# KiCad board Smoothie2Standard.kicad_pcb (continued)
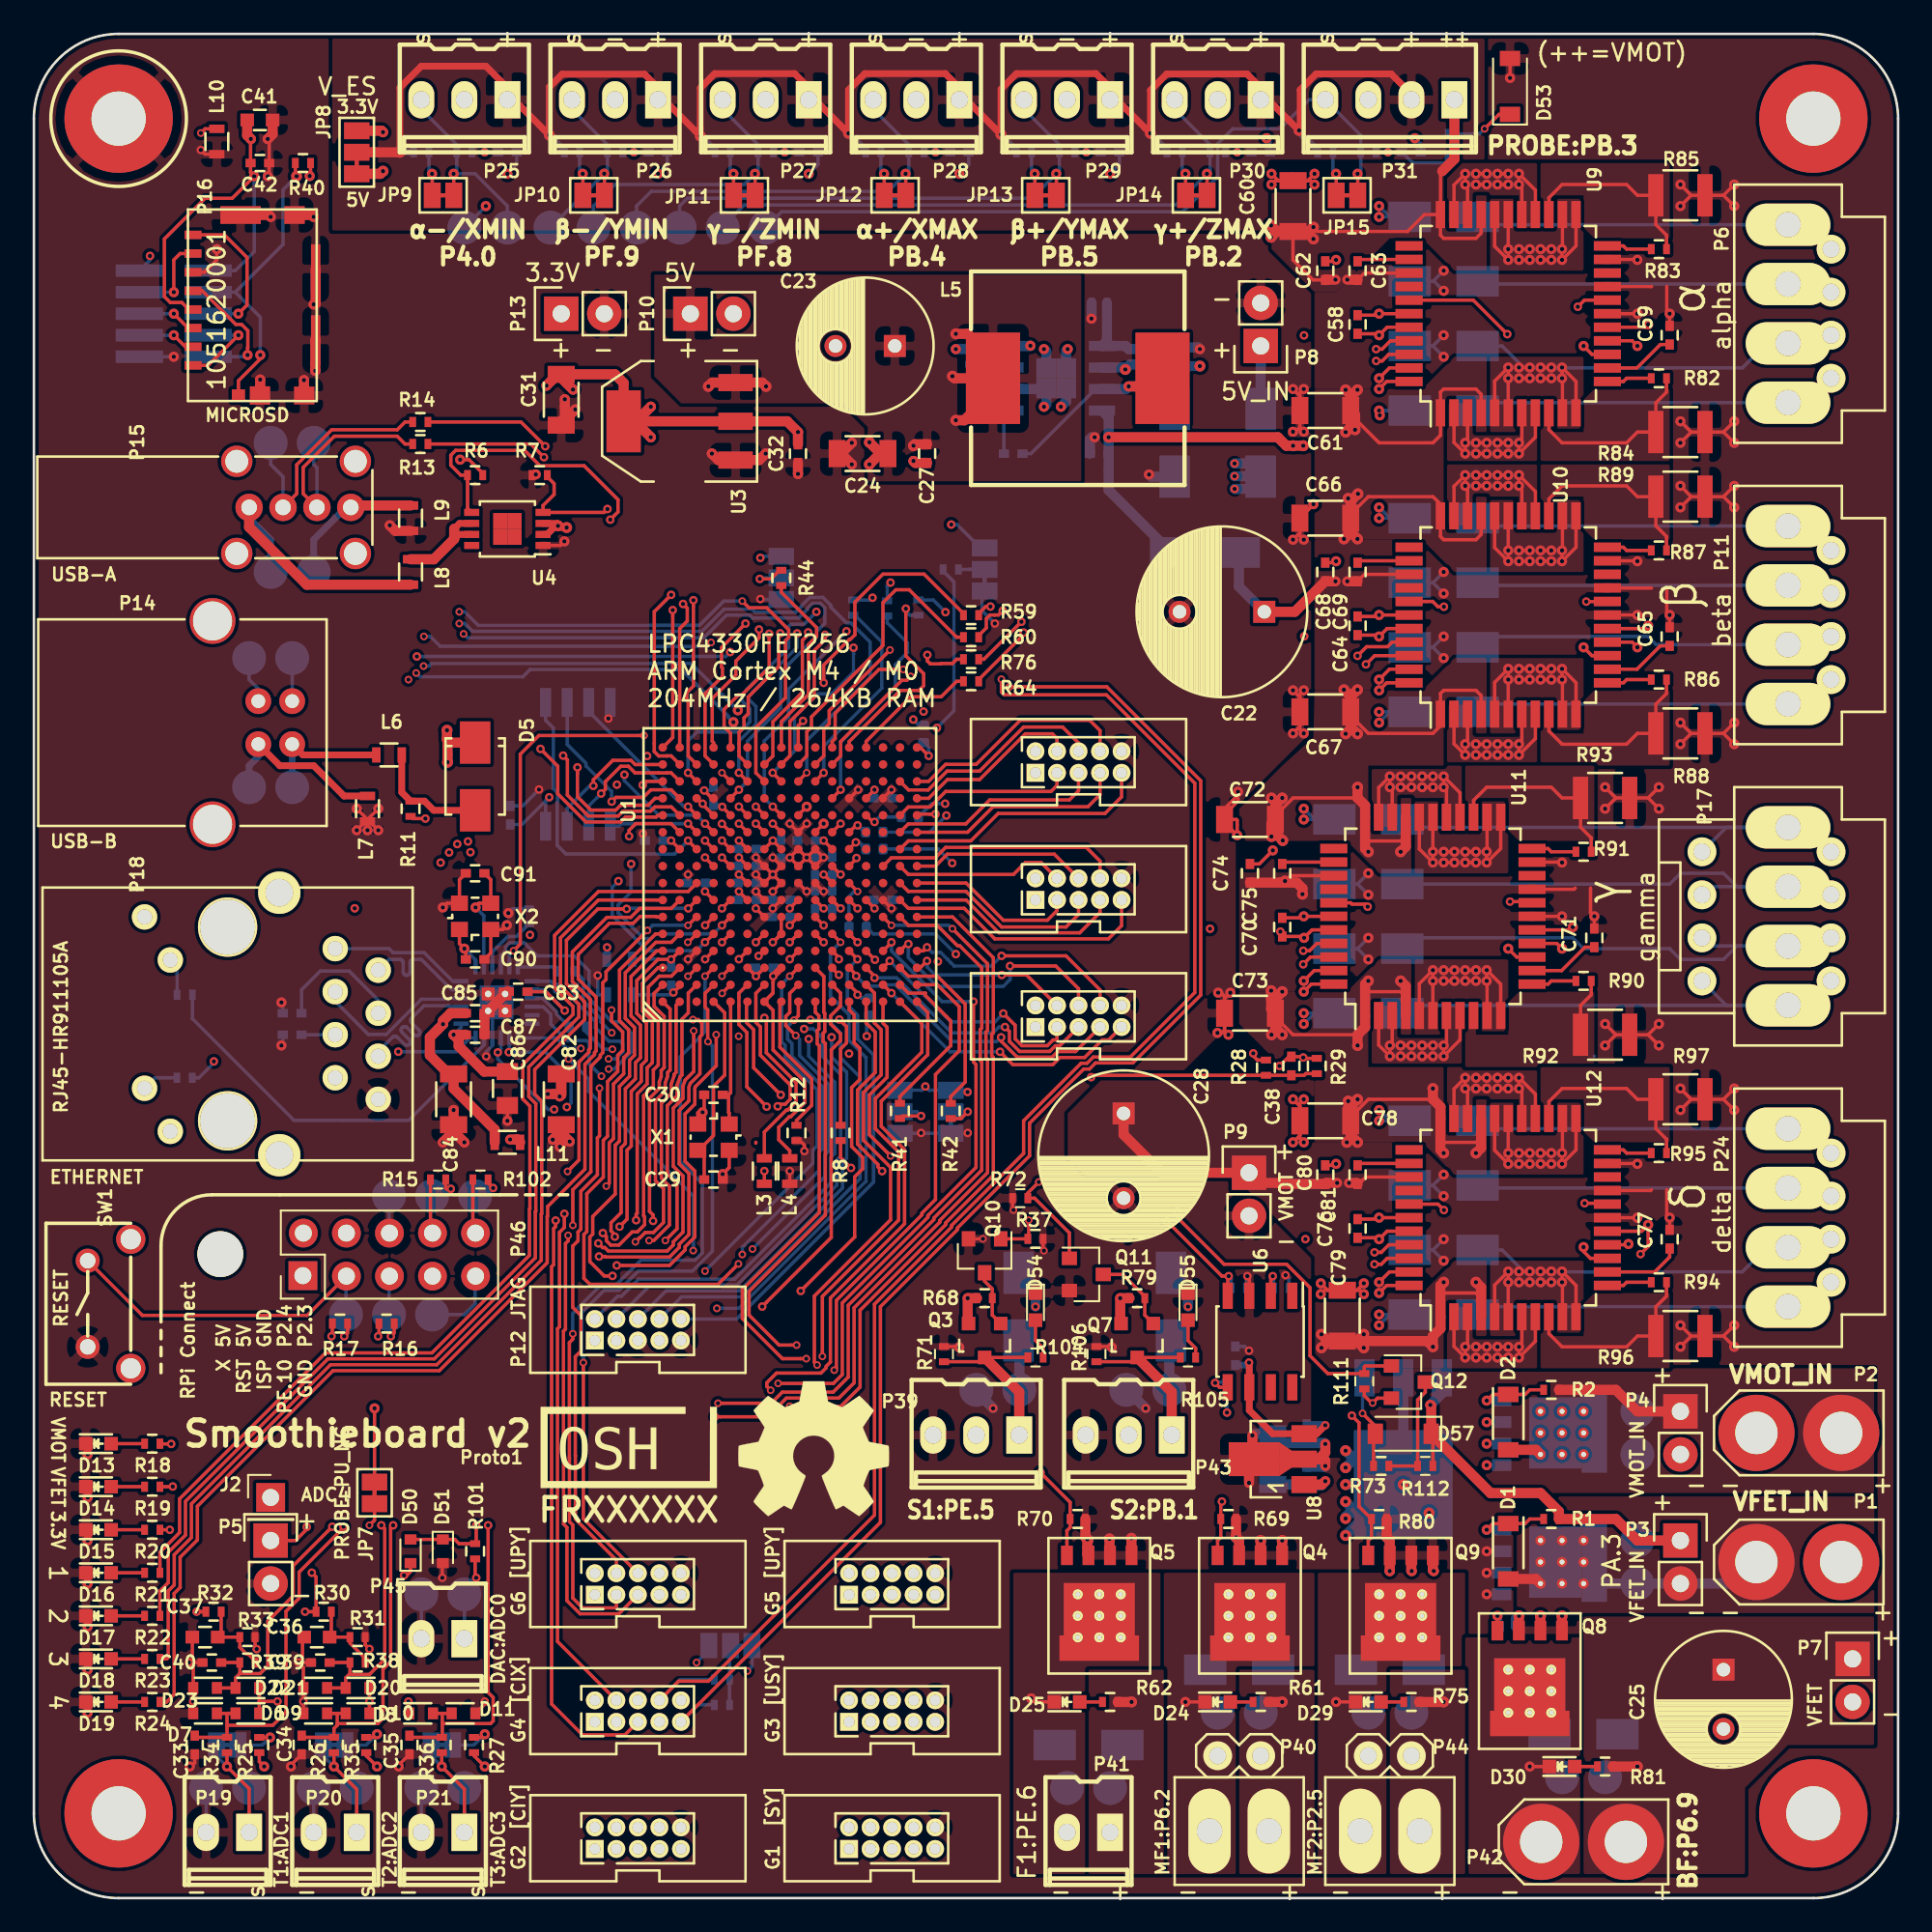
[diagram p0: board, top side]
## Routing (per net, layer and track width the routed paths; a pad name or vN(x,y) marks a point on that pad's centre or on a via; arc(x,y) is an arc through that point) (continued)
/MOTOR0/SRA: length 2.7
  Top w0.2: U9.12 93.79,89.49 93.98,89.68 R82.1
/MOTOR0/SRB: length 2.7
  Top w0.2: U9.22 93.79,97.49 93.98,97.3 R83.1
/MOTOR0/VHS: length 3.1
  Top w0.2: C63.2 78.22,96.69 U9.35
/MOTOR1/BRA: length 11.3
  Top w0.2: R86.2 96.34,71.08 95.71,70.45 R88.1 94.62,68.73 93.98,68.09 90.17,68.09 89.4,68.87 U10.9
/MOTOR1/BRB: length 11.3
  Top w0.2: U10.25 89.4,82.56 90.17,83.33 93.98,83.33 94.62,82.7 R89.1 95.71,80.97 96.34,80.34 R87.2
/MOTOR1/SRA: length 2.7
  Top w0.2: R86.1 93.98,71.9 93.79,71.71 U10.12
/MOTOR1/SRB: length 2.7
  Top w0.2: R87.1 93.98,79.52 93.79,79.71 U10.22
/MOTOR1/VHS: length 3.1
  Top w0.2: C69.2 78.22,78.91 U10.35
/MOTOR2/BRA: length 3.4
  Top w0.2: R92.1 91.26,52.67 91.89,53.3 R90.2
/MOTOR2/BRB: length 11.3
  Top w0.2: R91.2 91.89,62.56 91.26,63.19 R93.1 90.17,64.92 89.53,65.55 85.72,65.55 84.95,64.78 U11.25
/MOTOR2/SRA: length 2.7
  Top w0.2: R90.1 89.53,54.12 89.34,53.93 U11.12
/MOTOR2/SRB: length 2.7
  Top w0.2: R91.1 89.53,61.74 89.34,61.93 U11.22
/MOTOR2/VHS: length 3.1
  Top w0.2: C75.2 73.77,61.13 U11.35
/MOTOR3/BRA: length 11.3
  Top w0.2: R94.2 96.34,35.52 95.71,34.89 R96.1 94.62,33.17 93.98,32.53 90.17,32.53 89.4,33.31 U12.9
/MOTOR3/BRB: length 11.3
  Top w0.2: U12.25 89.4,47 90.17,47.77 93.98,47.77 94.62,47.14 R97.1 95.71,45.41 96.34,44.78 R95.2
/MOTOR3/SRA: length 2.7
  Top w0.2: R94.1 93.98,36.34 93.79,36.15 U12.12
/MOTOR3/SRB: length 2.7
  Top w0.2: R95.1 93.98,43.96 93.79,44.15 U12.22
/MOTOR3/VHS: length 3.1
  Top w0.2: C81.2 78.22,43.35 U12.35
/PROBE_CONN: length 43.9
  Top w0.2: v3(78.1,101.75) 78.12,101.74 JP15.1
  Bottom w0.2: v3(78.1,101.75) 78.29,101.93 R51.2 78.29,104.02 P31.4 75.24,106.11 73.52,104.4 70.74,104.4 69.85,103.51 69.85,101.57 67.79,99.51 44.12,99.51 W32.1
/PROBE_R: length 2.8
  Top w0.2: v3(76.84,101.75) 76.84,101.74 JP15.2
  Bottom w0.2: v3(76.84,101.75) 76.65,101.93 R58.1 76.65,102.83
/RPI_RXD: length 3.2
  Top w0.2: P46.10 25.9,39.4 R102.2
/RPI_TXD: length 3.2
  Top w0.2: P46.8 23.4,39.36 R15.2
/SD_CD: length 90.3
  Top w0.2: R40.1 15.43,101.68 v1(15.5,101.6) ; v2(49.63,55.37) 49.1,55.89 49.1,55.9 ; P16.9 12.07,89.53 13.36,90.82 v3(13.36,91.05)
  In3.Cu w0.2: v2(49.63,55.37) 50.09,54.9 50.09,52.84 48.05,50.8 48.05,50.56 47.34,49.85 45.36,49.85 45.13,50.08 42.96,50.08 42.19,49.3 42.15,49.3 41.16,48.32 38.09,48.32 36.3,50.11 36.3,50.7 34.55,52.46 34.55,53.94 32.74,55.75 32.74,56.9 32.38,57.26 32.38,58.42 31.89,58.9 31.89,59.67 31.38,60.18 31.38,60.66 25.83,66.2 25.83,76.64 24.25,78.22 24.25,82.96 18.54,88.67 15.74,88.67 v3(13.36,91.05)
  Bottom w0.2: v3(13.36,91.05) 13.36,93.28 11.88,94.76 ; 11.88,94.76 14.7,97.58 14.7,100.8 v1(15.5,101.6) ; 11.88,94.76 P23.3
/SD_CLK: length 93.4
  Top w0.2: P16.5 9.93,94.84 11.92,92.86 12.26,92.86 12.62,92.49 12.62,91.49 12.61,91.47 v3(12.61,91.05) ; 40.1,55.9 40.1,55.89 v2(39.61,55.4)
  In3.Cu w0.2: v3(12.61,91.05) 11.86,90.3 7.7,90.3 6.8,91.2 6.8,94.7 7.43,95.33 23.79,95.33 26.35,92.77 26.35,79.09 27.93,77.51 27.93,67.07 29.09,65.91 30.04,65.91 30.5,65.46 30.65,65.46 30.91,65.2 30.91,64.75 33.47,62.18 33.47,61.12 33.5,61.1 33.5,61.03 33.99,60.54 33.99,59.77 34.48,59.29 34.48,58.13 34.74,57.87 34.94,57.87 35.73,57.08 35.73,56.87 36.65,55.95 36.65,53.33 38.4,51.57 38.4,50.98 38.71,50.67 39.15,50.67 39.71,51.23 39.71,52.21 39.1,52.82 39.1,54.89 v2(39.61,55.4)
  Bottom w0.2: P23.9 12.51,90.95 v3(12.61,91.05)
/SD_CMD: length 84
  Top w0.2: v3(8.26,93.49) 9.11,92.64 P16.3 ; 48.1,56.9 v2(48.6,56.4)
  In3.Cu w0.2: v3(8.26,93.49) 7.5,92.74 7.5,92 7.85,91.65 15.9,91.65 18.53,89.02 18.68,89.02 24.6,83.1 24.6,78.36 26.18,76.78 26.18,66.35 31.73,60.8 31.73,60.33 32.24,59.81 32.24,59.05 32.73,58.56 32.73,57.4 33.09,57.05 33.09,56.01 34.9,54.2 34.9,52.6 36.65,50.85 36.65,50.26 38.24,48.67 41.02,48.67 42,49.65 42.04,49.65 42.82,50.43 45.28,50.43 45.51,50.2 47.19,50.2 47.7,50.7 47.7,50.95 49.1,52.35 49.1,54.07 49.01,54.16 49.01,54.64 49.1,54.73 49.1,55.9 v2(48.6,56.4)
  Bottom w0.2: P23.6 v3(8.26,93.49)
/SD_DAT0: length 80
  Top w0.2: v3(8.26,94.76) 8.26,96.67 8.63,97.04 P16.7 ; v2(41.6,55.4) 41.6,55.4 42.1,55.9
  In3.Cu w0.2: v3(8.26,94.76) 23.87,94.76 26,92.63 26,78.94 27.58,77.36 27.58,66.93 33.12,61.38 33.12,60.98 33.15,60.95 33.15,60.89 33.64,60.39 33.64,59.62 34.13,59.14 34.13,57.98 34.59,57.52 34.8,57.52 35.38,56.94 35.38,56.73 36.3,55.81 36.3,53.18 38.05,51.43 38.05,50.84 38.82,50.07 40.44,50.07 41.01,50.64 41.01,51.48 41.6,52.06 v2(41.6,55.4)
  Bottom w0.2: P23.4 v3(8.26,94.76)
/SD_DAT1: length 75.2
  Top w0.2: v2(42.76,55.59) 43.07,55.9 43.1,55.9 ; v3(12.07,93.49) 12.58,94 12.58,96.81 11.24,98.14 P16.8
  In3.Cu w0.2: v3(12.07,93.49) 15.7,93.49 25.65,83.54 25.65,78.8 27.23,77.22 27.23,66.78 32.77,61.24 32.77,60.83 32.8,60.81 32.8,60.74 33.29,60.25 33.29,59.48 33.78,59 33.78,57.84 34.45,57.17 34.65,57.17 35.03,56.79 35.03,56.58 35.95,55.66 35.95,53.04 37.7,51.28 37.7,50.69 38.68,49.72 40.58,49.72 41.59,50.72 v4(41.59,50.86)
  In4.Cu w0.2: v4(41.59,50.86) 41.59,54.42 v2(42.76,55.59)
  Bottom w0.2: v3(12.07,93.49) P23.5
/SD_DAT3: length 75.1
  Top w0.2: v3(8.26,92.22) 8.94,91.54 P16.2 ; v2(42.6,56.4) 42.6,56.4 43.1,56.9
  In3.Cu w0.2: v3(8.26,92.22) 8.94,92.9 15.64,92.9 18.82,89.72 18.97,89.72 25.3,83.39 25.3,78.65 26.88,77.07 26.88,66.64 32.42,61.09 32.42,60.69 32.45,60.66 32.45,60.6 32.94,60.1 32.94,59.34 33.43,58.85 33.43,57.69 34.3,56.82 34.47,56.82 34.68,56.61 34.68,56.44 35.6,55.52 35.6,52.89 37.35,51.14 37.35,50.55 38.53,49.37 40.73,49.37 41.71,50.35 41.75,50.35 42.06,50.66 42.06,51.08 41.99,51.16 41.99,54.62 42.1,54.73 42.1,55.9 v2(42.6,56.4)
  Bottom w0.2: P23.8 v3(8.26,92.22)
/SPIFI_CS: length 17.7
  Top w0.2: 39.1,61.9 39.1,61.9 v2(38.6,62.4)
  Bottom w0.2: v2(38.6,62.4) 37.81,61.61 31.39,61.61 30.88,62.12 30.88,64.69 30.91,64.72 30.91,65.2 30.65,65.46 30.65,69.05 30.2,69.5 U5.1
/SPIFI_SCK: length 8.2
  Top w0.2: v2(33.47,65.18) 33.72,65.43 33.72,65.88 34.63,66.79 35.08,66.79 35.47,66.4 36.86,66.4 36.87,66.39 37.35,66.39 37.35,66.4 37.6,66.4 38.1,65.9
  Bottom w0.2: U5.6 32.73,64.44 v2(33.47,65.18)
/SPIFI_SIO0: length 5.4
  Top w0.2: 39.1,62.9 v2(38.6,63.4)
  Bottom w0.2: v2(38.6,63.4) 34.68,63.4 34.53,63.25 U5.5
/SPIFI_SIO1: length 11.4
  Top w0.2: v2(34.09,64.7) 34.34,64.95 35.96,64.95 36.41,65.4 37.6,65.4 38.1,64.9
  Bottom w0.2: v2(34.09,64.7) 34.09,65.29 32.57,66.81 32.57,66.96 31.47,68.07 U5.2
/SPIFI_SIO2: length 9.4
  Top w0.2: v2(38.6,64.4) 39.1,63.9 39.1,63.9
  Bottom w0.2: v2(38.6,64.4) 38.36,64.4 32.73,70.03 U5.3
/SPIFI_SIO3: length 8.2
  Top w0.2: v2(33.01,65.63) 33.01,65.99 34.16,67.14 35.23,67.14 35.47,66.89 37.09,66.89 37.1,66.9
  Bottom w0.2: v2(33.01,65.63) 32.8,65.63 31.47,64.3 U5.7
/SSR1_CONN: length 16.1
  Top w0.2: R104.2 58.65,31.9 Q3.3 55.85,31.65 R71.2
  Top w0.6: Q3.3 58.14,29.86 P39.1
  Bottom w0.6: D28.1 58.15,32.85 W34.1 58.14,29.98 P39.1
/SSR1_G: length 3.5
  Top w0.2: R68.2 56.55,34.4 Q3.1 ; R68.2 56.6,35.45 ; R68.2 56.55,35.95 56.1,36.4 Q10.3
/SSR1_PG: length 48.6
  Top w0.2: v2(58.4,74.68) 58.4,74.55 55.75,71.9 R64.2 ; v4(58.7,40) 58.7,38.95 R37.2 Q10.1
  In3.Cu w0.2: v4(58.7,40) 58.7,44.23 62.42,47.95 62.62,47.95 62.87,48.21 62.87,48.6 67.1,52.83 67.1,65.98 v2(58.4,74.68)
/SSR2_CONN: length 16.2
  Top w0.2: R105.2 67.65,31.9 Q7.3 64.85,31.65 R106.2
  Top w0.6: Q7.3 67.14,29.86 P43.1
  Bottom w0.6: D33.1 67,32.8 W50.1 67.14,29.85 P43.1
/SSR2_G: length 4.8
  Top w0.2: Q11.3 64.25,36.8 65.55,35.5 R79.2 65.55,34.4 Q7.1
/SSR2_PG: length 50
  Top w0.2: R76.2 56.06,73.1 v2(58.27,75.31) ; v4(59.29,42.25) 58.65,41.61 R72.2 59.05,41.3 61.1,39.25 Q11.1
  In3.Cu w0.2: v2(58.27,75.31) 58.62,75.31 67.45,66.49 67.45,52.69 63.21,48.45 63.21,48.06 62.76,47.61 62.62,47.61 59.29,44.29 v4(59.29,42.25)
/TH1_CONN: length 9.4
  Top w0.2: R34.2 v3(11.39,7.77) 12.7,6.46 P19.1
  Bottom w0.2: v3(11.39,7.77) 10.77,8.39 JP2.2 ; P19.1 W17.1
/TH1_PU: length 2.7
  Top w0.2: 13.3,9.48 13.93,9.48 v3(13.94,9.48)
  Bottom w0.2: JP2.1 13.49,9.04 v3(13.94,9.48)
/TH2_CONN: length 9.4
  Top w0.2: R35.2 v3(17.71,7.77) 19.05,6.42 P20.1
  Bottom w0.2: v3(17.71,7.77) 17.08,8.39 JP3.2 ; P20.1 W18.1
/TH2_PU: length 2.9
  Top w0.2: v3(20.25,9.67) 20.06,9.48 19.61,9.48
  Bottom w0.2: v3(20.25,9.67) 19.61,9.04 JP3.1
/TH3_CONN: length 9.4
  Top w0.2: R36.2 v3(24.07,7.77) 25.4,6.43 P21.1
  Bottom w0.2: v3(24.07,7.77) 23.44,8.39 JP4.2 ; P21.1 W19.1
/TH3_PU: length 2.9
  Top w0.2: v3(26.61,9.67) 26.42,9.48 25.97,9.48
  Bottom w0.2: v3(26.61,9.67) 25.97,9.04 JP4.1
/USB0_D+: length 59.3
  Top w0.2: 42.1,53.9 41.6,53.4 41.6,51.54 42.07,51.08 42.07,47.87 v2(43.24,46.7)
  In3.Cu w0.2: v2(43.24,46.7) 41.65,45.12 35.08,45.12 31.07,49.12 31.07,50.56 31.1,50.59 31.1,50.74 31.81,51.45 31.81,52.61 31.11,53.31 31.11,56.55 30.98,56.68 30.98,57.84 30.49,58.32 30.49,59.09 30,59.58 30,59.64 29.98,59.67 29.98,60.08 26.41,63.65 25.78,63.65 17.78,71.64 14.25,71.64 P14.3
  Bottom w0.2: W5.1 12.7,71.9 13.24,71.36 P14.3
/USB0_D-: length 57.4
  Top w0.2: U1.G2 42.6,53.39 42.6,51.68 42.87,51.41 42.87,49.74 44.62,47.98 44.62,47.14 44.33,46.85 44.01,46.85 v2(43.89,46.72) ; 43.1,53.9 43.1,53.9
  In3.Cu w0.2: P14.2 18.3,70.63 25.63,63.3 26.26,63.3 29.63,59.93 29.63,59.52 29.65,59.5 29.65,59.44 30.14,58.94 30.14,58.18 30.63,57.69 30.63,56.53 30.75,56.41 30.75,50.85 30.75,50.85 30.75,50.74 30.72,50.71 30.72,48.98 34.93,44.77 41.96,44.77 43.42,46.23 43.66,46.23 43.89,46.45 v2(43.89,46.72)
  Bottom w0.2: P14.2 W6.1
/USB0_RREF: length 8.5
  Top w0.2: 44.1,52.9 44.02,52.82 44.02,50.21 45.9,48.33 45.9,46.78 45,45.89 R12.2
/USB0_VBUS: length 45.5
  Top w0.2: v2(44.07,47.4) 42.47,48.99 42.47,51.24 42.05,51.66 42.05,52.85 42.1,52.9 ; R11.2 22.36,63.7 v2(23.1,63.7)
  In3.Cu w0.2: v2(23.1,63.7) 23.9,62.9 26.09,62.9 29.23,59.77 29.23,59.35 29.25,59.33 29.25,59.27 29.74,58.78 29.74,58.01 30.23,57.53 30.23,56.37 30.35,56.24 30.35,50.91 30.32,50.87 30.32,48.81 34.77,44.37 42.27,44.37 43.73,45.83 43.83,45.83 45.11,47.11 45.11,47.23 45,47.35 44.12,47.35 v2(44.07,47.4)
/USB1_D+: length 33.3
  Top w0.2: v2(30.1,85.02) 29.32,85.8 R13.1 ; 42.1,63.9 v2(41.6,64.4)
  In4.Cu w0.2: v2(41.6,64.4) 41.1,64.9 41.1,67.7 30.35,78.46 30.35,84.77 v2(30.1,85.02)
/USB1_D-: length 34.6
  Top w0.2: v2(42.6,64.4) 42.6,64.4 43.1,63.9 ; v2(30.17,85.67) 28.74,87.1 R14.1
  In4.Cu w0.2: v2(30.17,85.67) 32.99,82.85 32.99,76.3 42.6,66.7 v2(42.6,64.4)
/USB1_D_CONN+: length 14
  Top w0.2: P15.3 15.89,82.87 15.89,84.42 17.73,86.26 21.44,86.26 21.9,85.8 R13.2
  Bottom w0.2: W7.1 16.51,84.6 16.7,84.41 P15.3
/USB1_D_CONN-: length 14.9
  Top w0.2: R14.2 21.9,87.1 21.44,86.64 17.57,86.64 15.51,84.58 15.51,82.87 P15.2
  Bottom w0.2: W8.1 13.97,84.6 14.7,83.87 P15.2
/VBB_DIV: length 4.8
  Top w0.2: R38.1 19.55,14.15 18.65,15.05 R31.2 17.35,15.4 17.55,15.6 R30.2
/VBB_LED_R: length 2
  Top w0.2: D13.2 R18.2
/VBB_RP_GATE: length 4.9
  Top w0.2: 87.27,29.99 D2.1 ; D2.1 86.09,29.72 v3(85.72,29.36) ; D2.1 88,29.72 88.27,29.99 R2.1
  Bottom w0.2: v3(85.72,29.36) 85.73,29.36 Q2.4
/VFET_DIV: length 4.8
  Top w0.2: R39.1 13.05,14 12.65,14.4 12.55,14.4 12.15,14.8 R33.2 C37.1 11.05,15.6 R32.2
/VFET_LED_R: length 2
  Top w0.2: D14.2 R19.2
/VFET_RP_GATE: length 4.9
  Top w0.2: 87.27,22.37 D1.1 ; D1.1 86.09,22.1 v3(85.72,21.73) ; D1.1 88,22.1 88.27,22.37 R1.1
  Bottom w0.2: v3(85.72,21.73) 85.73,21.74 Q1.4
/VFETSW_GATE: length 5.6
  Top w0.2: R73.1 79.05,27.3 D57.2 79.15,27.85 v4(78.4,28.6)
  Bottom w0.2: Q6.1 78.4,30.58 v4(78.4,28.6)
/VFETSW_PG: length 63.5
  Top w0.2: v2(67.49,40.5) 67.49,40.14 70.23,37.4 73.92,37.4 75.3,36.02 75.3,32 76.35,30.95 R111.2 78.5,31.35 78.55,31.4 Q12.1 ; R59.2 55.75,75.8 56.16,76.21 v2(56.44,76.21)
  In3.Cu w0.2: v2(56.44,76.21) 56.69,76.46 58.99,76.46 68.5,66.95 68.5,41.51 v2(67.49,40.5)
/VFETSW_PS: length 6.8
  Top w0.2: Q12.3 82.1,29.85 81.65,29.4 R112.2 R73.2
/XMAX_CONN: length 24.5
  Top w0.2: v3(51.43,101.75) 51.45,101.74 JP12.1
  Bottom w0.2: P28.3 49.53,105.56 51.62,103.47 R48.2 51.62,101.93 v3(51.43,101.75) 50.4,100.71 36.43,100.71 35.56,99.84 W29.1
/XMAX_R: length 2.6
  Top w0.2: v3(50.16,101.75) 50.18,101.74 JP12.2
  Bottom w0.2: v3(50.16,101.75) 49.98,101.93 R55.1
/XMIN_CONN: length 11.8
  Top w0.2: v3(24.77,101.75) 24.77,101.74 JP9.1
  Bottom w0.2: P25.3 22.86,105.56 24.95,103.47 R45.2 24.95,101.93 v3(24.77,101.75) 26.04,101.75 27.94,99.84 W26.1
/XMIN_R: length 2.6
  Top w0.2: v3(23.5,101.75) 23.51,101.74 JP9.2
  Bottom w0.2: v3(23.5,101.75) 23.31,101.93 R52.1
/YMAX_CONN: length 30.9
  Top w0.2: v3(60.32,101.75) 60.34,101.74 JP13.1
  Bottom w0.2: P29.3 58.42,105.56 60.51,103.47 R49.2 60.51,101.93 v3(60.32,101.75) 58.89,100.31 38.57,100.31 38.1,99.84 W30.1
/YMAX_R: length 2.6
  Top w0.2: v3(59.05,101.75) 59.07,101.74 JP13.2
  Bottom w0.2: v3(59.05,101.75) 58.87,101.93 R56.1
/YMIN_CONN: length 11.1
  Top w0.2: v3(33.65,101.75) 33.66,101.74 33.66,100.48
  Bottom w0.2: P26.3 31.75,105.56 33.84,103.47 R46.2 33.84,101.94 v3(33.65,101.75) 33.65,101.74 W27.1
/YMIN_R: length 2.6
  Top w0.2: v3(32.38,101.75) 32.4,101.74 JP10.2
  Bottom w0.2: v3(32.38,101.75) 32.2,101.93 R53.1
/ZMAX_CONN: length 36.5
  Top w0.2: v3(69.22,101.75) 69.22,101.74 JP14.1
  Bottom w0.2: P30.3 67.31,105.56 69.4,103.47 R50.2 69.4,101.93 v3(69.22,101.75) 67.38,99.91 41.91,99.91 40.64,98.64 W31.1
/ZMAX_R: length 2.6
  Top w0.2: v3(67.94,101.75) 67.96,101.74 JP14.2
  Bottom w0.2: v3(67.94,101.75) 67.76,101.93 R57.1
/ZMIN_CONN: length 18.2
  Top w0.2: v3(42.54,101.75) 42.55,101.74 JP11.1
  Bottom w0.2: P27.3 40.64,105.56 42.73,103.47 R47.2 42.73,101.93 v3(42.54,101.75) 41.91,101.11 34.29,101.11 33.02,99.84 W28.1
/ZMIN_R: length 2.6
  Top w0.2: v3(41.27,101.75) 41.29,101.74 JP11.2
  Bottom w0.2: v3(41.27,101.75) 41.09,101.93 R54.1
AOV: length 27.1
  Top w0.2: v4(19.8,22) 20.1,22.3 JP7.2 ; D50.1 22.23,19.27 22,19.04 v2(21.84,19.04) ; D22.1 13.3,11.6 ; 13.3,11.6 13.31,11.61 v2(14.38,11.61) ; 13.3,11.6 D6.1 ; D8.1 v2(19.8,11.6) D20.1 ; D10.1 22.15,11.55 v2(22.1,11.6)
  In3.Cu w0.2: v4(19.8,22) 19.8,21.08 v2(21.84,19.04) 21.84,18.64 21.5,18.3 21.5,12.2 v2(22.1,11.6) v2(19.8,11.6) 19.1,12.3 15.07,12.3 v2(14.38,11.61)
ESOV: length 4
  Top w0.2: v4(85.6,104.4) 86.45,105.25 D53.1
  Bottom w0.2: v4(85.6,104.4) 85.3,104.1 D52.1
V_ES: length 109.8
  Top w0.4: 27.94,106.83 26.67,108.09 22.86,108.09 21.59,106.83 v1(21.59,103.02) ; 27.94,106.83 P25.1 ; 27.94,106.83 27.94,106.5 v1(30.41,104.03) 30.41,106.87 31.17,107.63 36.03,107.63 36.83,106.83 ; 63.5,106.83 62.67,107.66 57.98,107.66 57.06,106.74 v1(57.06,104.07) 54.61,106.52 54.61,106.83 ; 63.5,106.83 P29.1 ; 63.5,106.83 63.5,106.51 v1(65.88,104.13) 65.88,106.67 66.84,107.63 71.58,107.63 72.39,106.83 ; v1(74.66,104.3) 74.72,104.24 74.72,104.23 ; P30.1 72.39,106.83 ; 72.39,106.83 72.39,106.56 74.72,104.23 ; P31.2 81.28,106.45 80.09,107.64 75.66,107.64 74.72,106.7 74.72,104.23 ; 45.72,106.83 45.72,106.48 v1(48.07,104.13) 48.07,106.7 49.03,107.66 53.78,107.66 54.61,106.83 ; 45.72,106.83 P27.1 ; 45.72,106.83 44.89,107.66 40.17,107.66 39.32,106.81 v1(39.32,103.98) 36.83,106.47 36.83,106.83 ; 54.61,106.83 P28.1 ; 36.83,106.83 P26.1
  Top w0.6: v1(21.59,103.02) JP8.2
  Bottom w0.4: v1(21.59,103.02) R52.2 ; v1(65.88,104.13) 65.88,104.1 66.86,103.12 R57.2 ; v1(48.07,104.13) 48.07,104.13 49.08,103.12 R55.2 ; v1(39.32,103.98) 39.33,103.98 40.19,103.12 R54.2 ; v1(57.06,104.07) 57.06,104.02 57.97,103.12 R56.2 ; v1(74.66,104.3) 74.66,104.21 75.75,103.12 R58.2 ; R53.2 31.3,103.12 30.41,104 v1(30.41,104.03)
VBB: length 349.5
  Top w0.2: C63.1 78.52,95.89 U9.36 ; C69.1 78.52,78.11 U10.36 ; C81.1 78.1,42.06 78.6,42.55 U12.36 ; U9.33 82.05,99.34 81.05,98.34 C60.1 74.29,96.67 75.48,95.48 C62.1 ; U9.33 83,101.8 83.1,101.9 ; U9.33 83,98.12 83.19,97.94 85.09,97.94 85.4,98.24 U9.30 ; 78.55,64.47 78.1,64.92 74.29,64.92 73.25,63.88 C72.1 ; 78.1,50.95 74.29,50.95 73.25,51.98 C73.1 ; 78.55,51.39 U11.1 78.55,53.3 78.74,53.48 80.65,53.48 80.95,53.18 U11.4 ; 83,46.69 82.55,47.14 78.74,47.14 77.7,46.09 C78.1 ; 82.55,33.17 83,33.61 ; U9.4 85.4,88.74 85.09,89.05 83.19,89.05 83,88.86 U9.1 83,86.31 82.55,85.87 79.38,85.87 77.7,87.55 C61.1 ; U10.30 85.4,80.46 85.09,80.16 83.19,80.16 83,80.34 U10.33 83,82.25 82.55,82.7 78.74,82.7 77.7,81.66 C66.1 ; U10.4 85.4,70.96 85.09,71.27 83.19,71.27 83,71.08 U10.1 83,69.17 82.55,68.73 78.74,68.73 77.7,69.77 C67.1 ; U11.30 80.95,62.68 80.65,62.38 78.74,62.38 78.55,62.57 U11.33 ; U12.30 85.4,44.9 85.09,44.59 83.19,44.59 83,44.79 U12.33 ; U12.4 85.4,35.4 85.09,35.71 83.19,35.71 83,35.52 U12.1 ; R18.1 7.45,26.8 v2(8.1,26.8) ; C74.1 C75.1 73.66,59.84 74.16,60.33 U11.36 ; v2(16,16.9) R30.1 16.65,18.95 v2(16.4,19.2)
  Top w0.6: P4.1 W3.1 93.34,29.99 R2.2 ; v1(73.66,53.48) 73.25,53.08 C73.1 ; v1(73.03,50.95) 73.25,51.18 C73.1 ; v1(73.66,50.95) 73.25,51.35 C73.1 ; v1(80.65,54.12) 80.95,53.82 U11.4 ; v1(80.65,61.74) 80.95,62.05 U11.30 ; v1(78.74,61.74) 78.55,61.93 U11.33 78.55,64.47 78.1,64.92 v1(78.1,65.55) ; v1(78.74,54.12) 78.55,53.93 U11.1 78.55,51.39 78.1,50.95 v1(78.1,50.31) ; v1(73.03,64.92) 73.25,64.69 C72.1 ; v1(73.66,64.92) 73.25,64.51 C72.1 ; v1(78.1,47.14) 77.7,46.73 C78.1 ; v1(77.47,44.59) 77.7,44.83 C78.1 ; v1(78.1,44.59) 77.7,45 C78.1 ; v1(82.55,47.77) 82.55,47.14 83,46.69 U12.33 83,44.15 v1(83.19,43.96) ; v1(85.09,36.34) 85.4,36.04 U12.4 ; v1(83.19,36.34) 83,36.15 U12.1 83,33.61 82.55,33.17 v1(82.55,32.53) 82.21,32.87 C79.1 ; v1(85.09,43.96) 85.4,44.27 U12.30 ; v1(75.5,97.9) 75.06,98.34 C60.1 ; v1(75.5,98.6) 75.24,98.34 C60.1 ; v1(73,98) 73.34,98.34 C60.1 ; v1(73,98.7) 73.36,98.34 C60.1 ; v1(78.1,89) 77.7,88.6 C61.1 ; v1(77.4,89) 77.7,88.7 C61.1 ; v1(77.4,86.5) 77.7,86.8 C61.1 ; 77.7,80.6 v1(78.1,80.2) ; 77.7,80.6 v1(77.3,80.2) ; 77.7,80.6 C66.1 77.7,82.3 ; 77.7,70.9 v1(78.1,71.3) ; 77.7,70.9 v1(77.3,71.3) ; 77.7,70.9 C67.1 ; v1(78.1,68.7) 77.7,69.1 C67.1 ; v1(77.4,68.7) 77.7,69 C67.1 ; 78.07,32.87 v1(78.47,32.47) ; 78.07,32.87 v1(78.47,33.27) ; 78.07,32.87 C79.1 ; 76.37,32.87 v1(75.97,32.47) ; 76.37,32.87 v1(75.97,33.27) ; 76.37,32.87 C79.1 ; C22.1 74.4,75.9 C68.1 v2(76.8,77.7) ; v2(76.9,42.2) 76.26,42.2 C80.1 73.54,42.14 73.48,42.2 72.3,42.2 P9.1 66.55,42.8 64.3,45.05 C28.1 ; v2(77.6,42.2) 78.04,42.2 C81.1 ; v2(76.8,95.5) 76.22,95.5 C62.1 ; v2(77.5,95.5) 78.09,95.5 C63.1 ; 83.1,101.9 83.82,102.62 P31.1 ; C61.1 77.96,87.52 v1(77.96,86.64) ; C72.1 73.02,63.41 v1(73.02,62.64) ; C72.1 73.25,62.84 v1(73.69,62.4) ; 77.7,82.3 77.7,82.44 v1(77.55,82.59) ; 77.7,82.3 77.7,82.43 v1(78.13,82.86) ; C78.1 77.55,46.01 v1(77.55,47.03) ; C74.1 73.73,59.92 v1(73.82,60.01) ; C73.1 73,52.47 v1(73,53.55) ; C75.1 74.51,59.92 74.85,59.58 v1(74.85,59.24) ; C69.1 v2(77.5,77.7)
  In3.Cu w0.2: v2(16,16.9) 13.83,14.73 13.83,11.34 14.54,10.63 14.54,2.86 16.6,0.8 54.5,0.8 63.6,9.9 73.6,9.9 76.75,13.05 76.75,31.69 v1(75.97,32.47) ; v2(8.1,26.8) 10,24.9 10,20 10.6,19.4 11.5,19.4 12.2,18.7 12.2,18.38 13.34,17.24 14.71,17.24 14.75,17.2 16.4,18.85 v2(16.4,19.2)
  Bottom w0.6: C22.1 71.1,77.4 D56.2 ; P4.1 W3.1
VFET: length 114.8
  Top w0.2: R19.1 8.18,24.28 v2(8.19,24.29) ; v2(9.6,16.9) R32.1 v2(9.6,16.9)
  Top w0.6: v2(76.2,24.6) 76,24.4 U8.1 ; R61.1 v1(73.66,11.58) ; R75.1 v1(83.19,11.58) ; R62.1 v1(64.77,11.58) ; R81.2 v1(94.62,7.77)
  In3.Cu w0.2: v2(8.19,24.29) 9.52,22.96 9.52,16.98 v2(9.6,16.9) 8.6,15.9 8.6,2.9 11.1,0.4 60.02,0.4 P41.1
  Bottom w0.6: v2(76.2,24.6) 75.95,24.35 C56.1 75.05,24.4 C55.1 ; v1(77.4,26.4) 77.72,26.08 Q6.2 ; Q6.2 78.07,22.73 v1(77.4,23.4) ; Q6.2 78.72,22.73 v1(77.4,21.4) ; Q6.2 77.62,22.73 77.4,22.5 v1(77.4,22.4) ; Q6.2 78.72,22.73 ; Q6.2 v1(80.8,24.4) ; Q6.2 78.07,26.08 v1(77.4,25.4) ; Q6.2 78.72,26.08 ; v1(80.8,24.4) 83.3,24.4 ; v1(80.8,24.4) v1(77.4,24.4)
  vias: v1(82.32,22.73)
VFET_IN: length 25.7
  Top w0.2: R112.1 82.55,27.3 D57.1
  Top w0.6: P3.1 W1.1 93.34,22.37 R1.2 89.99,22.82 88.9,23.9 85.95,23.9 D57.1 82.45,29.05 v3(82.4,29.1)
  Bottom w0.6: v3(82.4,29.1) 83.08,29.78 Q6.3 ; P3.1 W1.1
Net-(D54-Pad2): length 2.4
  Top w0.2: R104.1 59.55,32.45 59.1,32.9 D54.2
Net-(D55-Pad2): length 2.4
  Top w0.2: R105.1 68.55,32.45 68.1,32.9 D55.2
Net-(R107-Pad2): length 2.4
  Bottom w0.2: U13.12 30.65,54.95 R107.2
Net-(R108-Pad2): length 1.7
  Bottom w0.2: U13.13 30.49,54.1 R108.2
Net-(R109-Pad2): length 3
  Bottom w0.2: 31.6,51.4 30.84,52.16 30.84,52.29 30.03,53.1 U13.15

## Copper pours and planes (outline as drawn; the poured copper is in the pictures)
3.3V on In6.Cu: -3.81,113.81 114.3,113.81 114.3,-4.3 -3.81,-4.3
3.3VA on In1.Cu: 27.94,-9.38 8.26,-9.38 8.26,17.29 12.07,21.1 12.07,24.28 13.34,25.55 27.94,25.55
5V on Top: 36.6,95.8 61.8,95.8 61.8,83.6 49.2,83.6 49.2,86.8 47.8,88.2 38.2,88.2 36.6,89.8
5V on In1.Cu: -6.35,116.35 116.84,116.35 116.84,-6.84 -6.35,-6.84
GND on Top: -7.62,-8.11 -7.62,117.62 118.11,117.62 118.11,-8.11
GND on Bottom: -3.81,113.81 114.3,113.81 114.3,-4.3 -3.81,-4.3
GND on In2.Cu: -5.08,115.08 115.57,115.08 115.57,-5.57 -5.08,-5.57
GND on In3.Cu: -4.45,114.45 114.94,114.45 114.94,-4.94 -4.45,-4.94
GND on In4.Cu: -3.17,113.18 113.66,113.18 113.66,-3.66 -3.17,-3.66
GND on In5.Cu: -2.54,112.54 113.03,112.54 113.03,-3.03 -2.54,-3.03
GND_VBB_IN on Bottom: 104.14,23.64 104.14,31.26 87.63,31.26 87.63,23.64
GND_VFET_IN on Top: 87.5,23.7 87.5,16.8 108.6,16.8 108.6,23.7
GNDS on Bottom: 113.66,-3.66 -3.17,-3.66 -3.17,113.18 113.66,113.18 ; 1 cut-out
/BED1_DRAIN on Top: 84.46,15.39 91.44,15.39 91.44,1.41 84.46,1.41
/BED1_DRAIN on Bottom: 91.44,1.41 84.46,1.41 84.46,15.39 91.44,15.39
/FAN_D on Top: 57.79,19.2 66.68,19.2 66.68,13.48 62.23,13.48 62.23,1.41 57.79,1.41
/FAN_D on Bottom: 66.68,13.48 62.23,13.48 62.23,1.41 57.79,1.41 57.79,19.2 66.68,19.2
/HOTEND1_D on Top: 66.68,1.41 66.68,19.2 75.56,19.2 75.56,13.48 71.12,13.48 71.12,1.41
/HOTEND1_D on Bottom: 75.56,14.75 71.12,14.75 71.12,1.41 66.68,1.41 66.68,19.2 75.56,19.2
/HOTEND2_D on Top: 75.56,1.41 75.56,19.2 84.46,19.2 84.46,13.48 80.01,13.48 80.01,1.41
/HOTEND2_D on Bottom: 84.46,14.75 80.01,14.75 80.01,1.41 75.56,1.41 75.56,19.2 84.46,19.2
/M0_OA1 on Top: 83.19,88.41 85.09,88.41 85.09,86.5 87.63,86.5 87.63,88.41 88.9,88.41 88.9,84.6 83.19,84.6
/M0_OA1 on Bottom: 83.19,89.05 100.33,89.05 100.97,89.68 104.78,89.68 104.78,87.14 102.24,84.6 83.19,84.6
/M0_OA2 on Top: 85.72,86.5 85.72,90.95 91.44,90.95 91.44,86.5 89.53,86.5 89.53,88.41 87.63,88.41 87.63,86.5
/M0_OA2 on Bottom: 83.19,93.49 104.78,93.49 104.78,89.68 100.97,89.68 100.33,89.05 83.19,89.05
/M0_OB1 on Top: 83.19,98.57 83.19,102.38 88.9,102.38 88.9,98.57 87.63,98.57 87.63,100.48 85.09,100.48 85.09,98.57
/M0_OB1 on Bottom: 104.78,99.84 104.78,97.3 100.97,97.3 100.33,97.94 83.19,97.94 83.19,102.38 102.24,102.38
/M0_OB2 on Top: 85.72,100.48 87.63,100.48 87.63,98.57 89.53,98.57 89.53,100.48 91.44,100.48 91.44,96.03 85.72,96.03
/M0_OB2 on Bottom: 83.19,93.49 104.78,93.49 104.78,97.3 100.97,97.3 100.33,97.94 83.19,97.94
/M1_OA1 on Top: 83.19,70.63 83.19,66.82 88.9,66.82 88.9,70.63 87.63,70.63 87.63,68.73 85.09,68.73 85.09,70.63
/M1_OA1 on Bottom: 83.19,71.27 100.33,71.27 100.97,71.9 104.78,71.9 104.78,69.36 102.24,66.82 83.19,66.82
/M1_OA2 on Top: 85.72,73.17 91.44,73.17 91.44,68.73 89.53,68.73 89.53,70.63 87.63,70.63 87.63,68.73 85.72,68.73
/M1_OA2 on Bottom: 83.19,75.71 104.78,75.71 104.78,71.9 100.97,71.9 100.33,71.27 83.19,71.27
/M1_OB1 on Top: 83.19,80.79 83.19,84.6 88.9,84.6 88.9,80.79 87.63,80.79 87.63,82.7 85.09,82.7 85.09,80.79
/M1_OB1 on Bottom: 83.19,84.6 102.24,84.6 104.78,82.06 104.78,79.52 100.97,79.52 100.33,80.16 83.19,80.16
/M1_OB2 on Top: 85.72,82.7 87.63,82.7 87.63,80.79 89.53,80.79 89.53,82.7 91.44,82.7 91.44,78.25 85.72,78.25
/M1_OB2 on Bottom: 83.19,80.16 100.33,80.16 100.97,79.52 104.78,79.52 104.78,75.71 83.19,75.71
/M2_OA1 on Top: 78.74,52.85 78.74,49.04 84.46,49.04 84.46,52.85 83.19,52.85 83.19,50.95 80.65,50.95 80.65,52.85
/M2_OA1 on Bottom: 78.74,53.48 95.88,53.48 97.16,54.76 99.69,54.76 100.33,54.12 104.78,54.12 104.78,51.58 102.24,49.04 78.74,49.04
/M2_OA2 on Top: 81.28,50.95 81.28,55.39 87,55.39 87,50.95 85.09,50.95 85.09,52.85 83.19,52.85 83.19,50.95
/M2_OA2 on Bottom: 78.74,57.93 104.78,57.93 104.78,54.12 100.33,54.12 99.69,54.76 97.16,54.76 95.88,53.48 78.74,53.48
/M2_OB1 on Top: 78.74,63.01 78.74,66.82 84.46,66.82 84.46,63.01 83.19,63.01 83.19,64.92 80.65,64.92 80.65,63.01
/M2_OB1 on Bottom: 78.74,66.82 102.24,66.82 104.78,64.28 104.78,61.74 100.33,61.74 99.69,61.11 97.16,61.11 95.88,62.38 78.74,62.38
/M2_OB2 on Top: 81.28,64.92 81.28,60.47 87,60.47 87,64.92 85.09,64.92 85.09,63.01 83.19,63.01 83.19,64.92
/M2_OB2 on Bottom: 78.74,62.38 95.88,62.38 97.16,61.11 99.69,61.11 100.33,61.74 104.78,61.74 104.78,57.93 78.74,57.93
/M3_OA1 on Top: 83.19,35.07 83.19,31.26 88.9,31.26 88.9,35.07 87.63,35.07 87.63,33.17 85.09,33.17 85.09,35.07
/M3_OA1 on Bottom: 83.19,35.71 100.33,35.71 100.97,36.34 104.78,36.34 104.78,33.8 102.24,31.26 83.19,31.26
/M3_OA2 on Top: 85.72,33.17 85.72,37.61 91.44,37.61 91.44,33.17 89.53,33.17 89.53,35.07 87.63,35.07 87.63,33.17
/M3_OA2 on Bottom: 83.19,40.15 104.78,40.15 104.78,36.34 100.97,36.34 100.33,35.71 83.19,35.71
/M3_OB1 on Top: 83.19,45.23 83.19,49.04 88.9,49.04 88.9,45.23 87.63,45.23 87.63,47.14 85.09,47.14 85.09,45.23
